# Altium PCB Kasli-DIOT.PCBDOC (part 1 of 21) (continued)
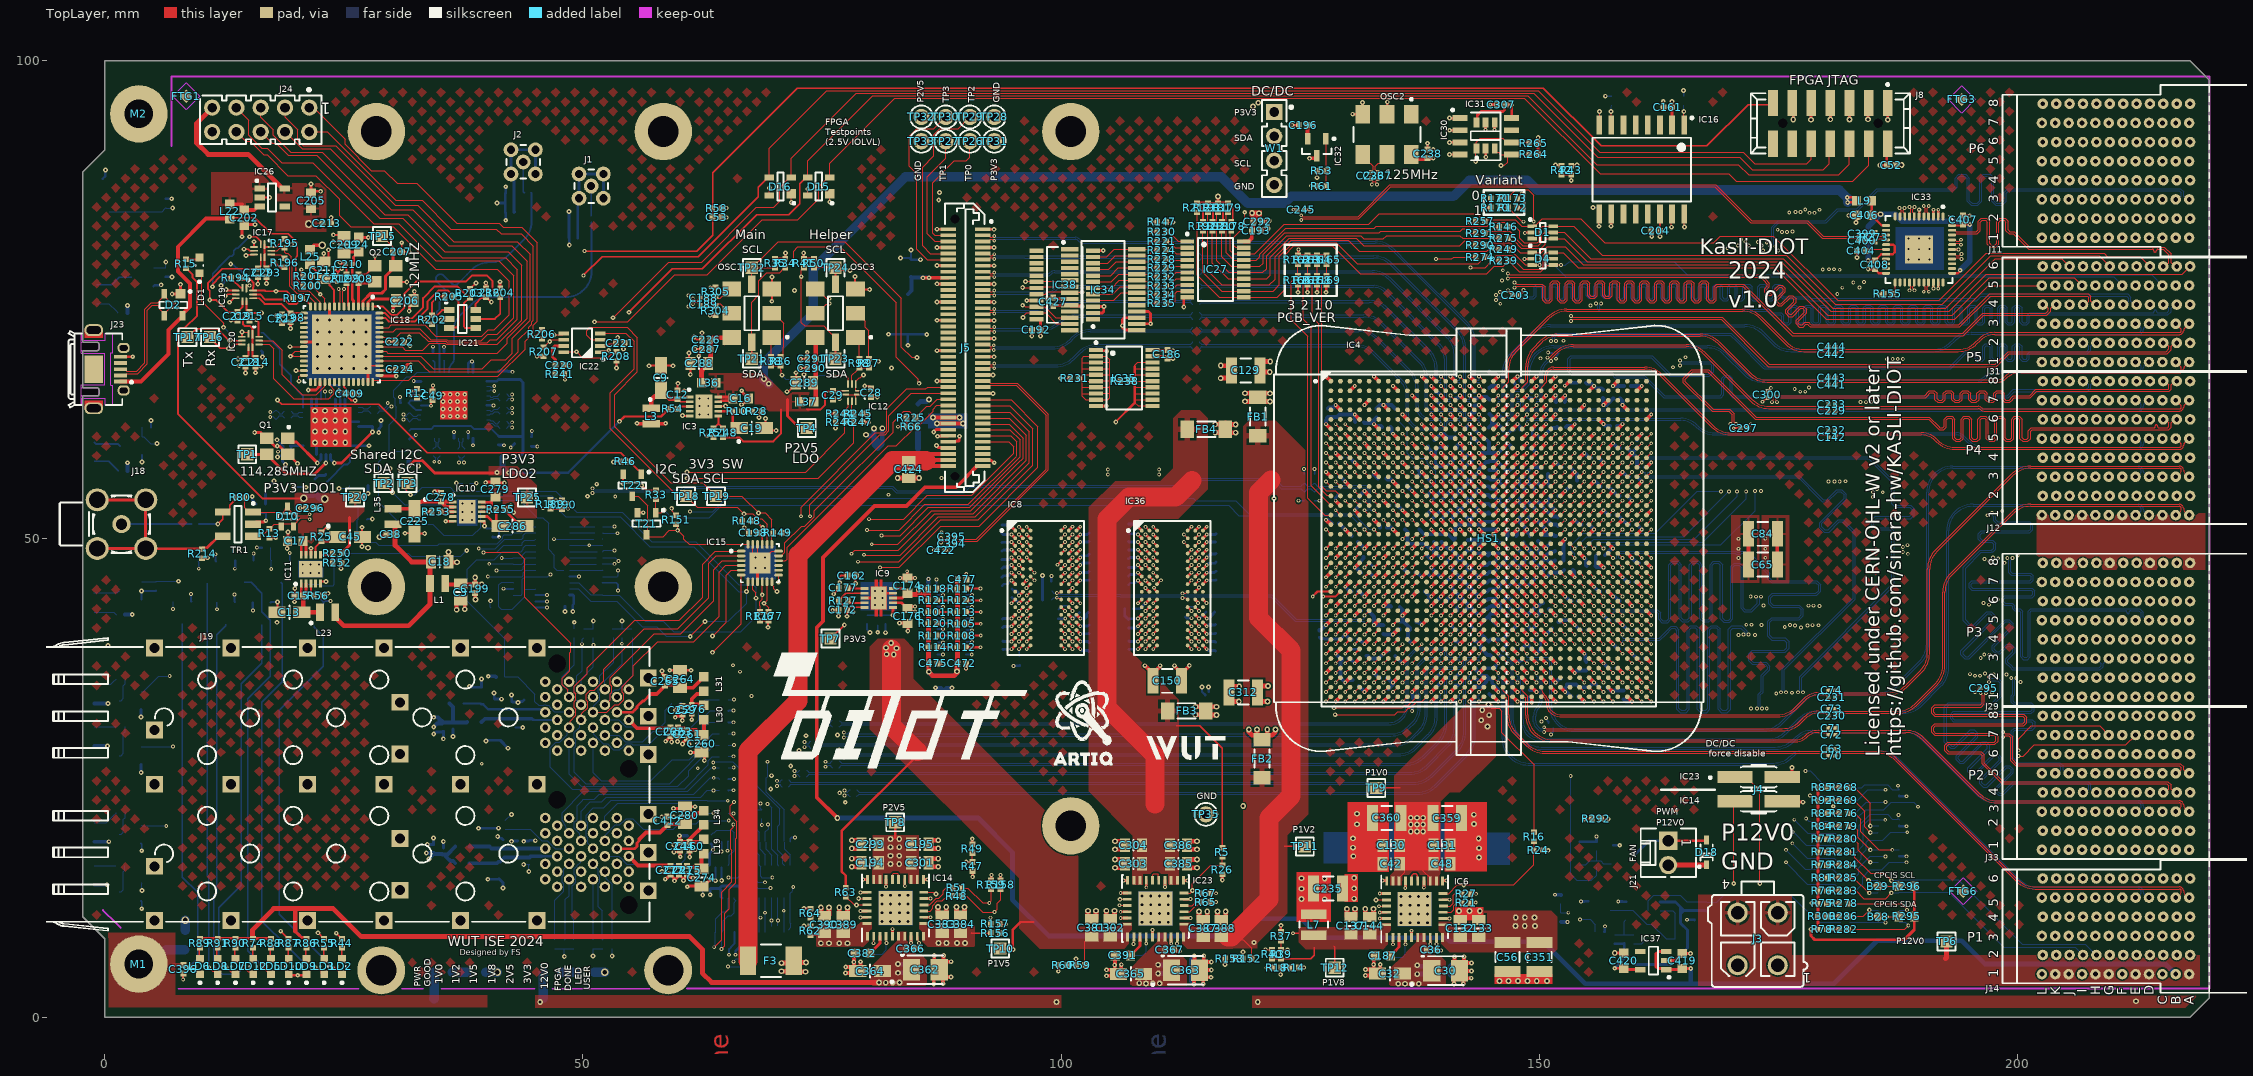
[diagram p0: TopLayer view]
## Design rules (kind name [scope] priority, off if disabled: settings) (continued)
PolygonConnect [All] p4: thpad.connectstyle=Relief thpad.reliefconductorwidth=0.254 thpad.reliefentries=4 thpad.polygonreliefangle="90 Angle" thpad.airgapwidth=0.254 smdpad.connectstyle=Relief smdpad.reliefconductorwidth=0.254 smdpad.reliefentries=4 smdpad.polygonreliefangle="90 Angle" smdpad.airgapwidth=0.254 via.connectstyle=Direct via.reliefconductorwidth=0.254 via.reliefentries=4 via.polygonreliefangle="90 Angle" via.airgapwidth=0.254
RoomDefinition U_Bank_16_32_36 [InComponentClass('U_Bank_16_32_36')] p1: confinementstyle=ConfineIn formatcopy=TRUE lockcomponents=FALSE outline -101.6,-152.4 -50.8,-152.4 -50.8,-127 -101.6,-127
RoomDefinition U_Bank_12_14_35 [InComponentClass('U_Bank_12_14_35')] p2: confinementstyle=ConfineIn formatcopy=TRUE lockcomponents=FALSE outline -101.6,-152.4 -50.8,-152.4 -50.8,-127 -101.6,-127
RoomDefinition U_Ect_conn [InComponentClass('U_Ect_conn')] p3: confinementstyle=ConfineIn formatcopy=TRUE lockcomponents=FALSE outline -101.6,-152.4 -50.8,-152.4 -50.8,-127 -101.6,-127
RoomDefinition U_DIOT_connectors_P4_P5_P6 [InComponentClass('U_DIOT_connectors_P4_P5_P6')] p4: confinementstyle=ConfineIn formatcopy=TRUE lockcomponents=FALSE outline -101.6,-152.4 -50.8,-152.4 -50.8,-127 -101.6,-127
RoomDefinition Kasli-DIOT [InComponentClass('Kasli-DIOT')] p5: confinementstyle=ConfineIn formatcopy=TRUE lockcomponents=FALSE outline -101.6,-152.4 -50.8,-152.4 -50.8,-127 -101.6,-127
RoomDefinition Artix [InComponentClass('Artix')] p6 off: confinementstyle=ConfineIn formatcopy=TRUE lockcomponents=FALSE outline 164.2,30.5 129.5,30.5 129.5,69.5 164.2,69.5
RoomDefinition U_DIOT_connectors_P1_P2_P3 [InComponentClass('U_DIOT_connectors_P1_P2_P3')] p7: confinementstyle=ConfineIn formatcopy=TRUE lockcomponents=FALSE outline 199.14,73.936 228.466,73.936 228.466,75.786 199.14,75.786
RoomDefinition Overlapping [InComponentClass('Overlapping')] p8: confinementstyle=ConfineIn formatcopy=TRUE lockcomponents=FALSE outline -101.6,-152.4 -50.8,-152.4 -50.8,-127 -101.6,-127
RoomDefinition CLK_buffer_DRTIO_CDR [InComponentClass('CLK_buffer_DRTIO_CDR')] p9: confinementstyle=ConfineIn formatcopy=TRUE lockcomponents=FALSE outline 199.14,0.007 230.666,0.007 230.666,9.208 199.14,9.208
RoomDefinition PowerSupplies [InComponentClass('PowerSupplies')] p10 off: confinementstyle=ConfineIn formatcopy=TRUE lockcomponents=FALSE outline 75.519,96.029 77.494,96.029 77.494,96.329 86.467,96.329 86.467,96.517 109.579,96.517 109.579,96.995 138.95,96.995 138.95,97.027 163.016,97.027 163.016,85.37 139.209,85.37 139.209,80.853 137.973,80.853 137.973,77.965 134.317,77.965 134.317,77.565 124.703,77.565 124.703,77.451 119.939,77.451 119.939,76.391 116.091,76.391 116.091,74.421 107.931,74.421 107.931,73.695 75.519,73.695
RoomDefinition ClockRecovery [InComponentClass('ClockRecovery')] p11 off: confinementstyle=ConfineIn formatcopy=TRUE lockcomponents=FALSE outline 8.746,64.089 8.746,66.467 8.896,66.467 8.896,68.085 8.977,68.085 8.977,73.636 9.733,73.636 9.733,75.201 12.512,75.201 12.512,77.741 14.08,77.741 14.08,80.691 23.942,80.691 23.942,85.361 23.957,85.361 23.957,86.377 26.353,86.377 26.353,87.185 52.133,87.185 52.133,84.645 59.753,84.645 59.753,64.707 52.133,64.707 52.133,59.627 34.766,59.627 34.766,59.543 24.173,59.543 24.173,59.489 19.515,59.489 19.515,62.149 14.075,62.149 14.075,62.663 9.933,62.663 9.933,64.089
RoomDefinition USB_Serial_Quad [InComponentClass('USB_Serial_Quad')] p12 off: confinementstyle=ConfineIn formatcopy=TRUE lockcomponents=FALSE outline -5.111,73.257 -5.111,83.715 33.174,83.715 33.174,95.964 54.202,95.964 54.202,89.456 43.907,89.456 43.907,66.821 41.575,66.821 41.575,58.403 39.547,58.403 39.547,58.119 33.037,58.119 33.037,57.993 31.479,57.993 31.479,59.677 13.341,59.677 13.341,61.363 12.649,61.363 12.649,62.467 8.717,62.467 8.717,73.257
RoomDefinition FPGA_JTAG [InComponentClass('FPGA_JTAG')] p13 off: confinementstyle=ConfineIn formatcopy=TRUE lockcomponents=FALSE outline 61.647,73.188 61.647,80.846 64.344,80.846 64.344,81.522 68.46,81.522 68.46,82.642 70.018,82.642 70.018,80.846 79.005,80.846 79.005,73.188
RoomDefinition SATA [InComponentClass('SATA')] p14 off: confinementstyle=ConfineIn formatcopy=TRUE lockcomponents=FALSE outline 63.647,77.642 63.647,95.25 71.58,95.25 71.58,90.909 72.045,90.909 72.045,82.677 71.58,82.677 71.58,77.642
RoomDefinition U_SFP [InComponentClass('U_SFP')] p15 off: confinementstyle=ConfineIn formatcopy=TRUE lockcomponents=FALSE outline -6.57,41.2 -6.57,57.356 42.738,57.356 42.738,56.913 49.195,56.913 49.195,55.927 50.977,55.927 50.977,55.799 52.341,55.799 52.341,51.389 49.289,51.389 49.289,50.933 46.162,50.933 46.162,47.989 45.213,47.989 45.213,46.469 42.738,46.469 42.738,41.2 41.067,41.2 41.067,39.099 37.335,39.099 37.335,37.699 33.052,37.699 33.052,41.2
RoomDefinition U_FPGA_SDRAM [InComponentClass('U_FPGA_SDRAM')] p16 off: confinementstyle=ConfineIn formatcopy=TRUE lockcomponents=FALSE outline 94.5,51.7 94.5,43.2 139.5,43.2 139.5,51.7 138.756,51.7
RoomDefinition U_FPGA_I2C [InComponentClass('U_FPGA_I2C')] p17 off: confinementstyle=ConfineIn formatcopy=TRUE lockcomponents=FALSE outline 68.713,65.519 68.713,67.577 69.677,67.577 69.677,68.851 71.103,68.851 71.103,71.293 77.741,71.293 77.741,68.343 79.929,68.343 79.929,55.389 85.644,55.389 85.644,54.529 91.076,54.529 91.076,50.119 89.712,50.119 89.712,49.866 89.04,49.866 89.04,48.901 73.012,48.901 73.012,50.119 71.103,50.119 71.103,52.307 69.169,52.307 69.169,65.519
RoutingLayers RoutingLayers_1 [InNetClass('Diff_100Ohm')] p1 off: top layer_v5=TRUE mid layer 2_v5=TRUE mid layer 3_v5=TRUE mid layer 4_v5=TRUE mid layer 7_v5=TRUE bottom layer_v5=TRUE
RoutingLayers [All] p2 off: top layer_v5=TRUE mid layer 2_v5=TRUE mid layer 3_v5=TRUE mid layer 4_v5=TRUE mid layer 7_v5=TRUE bottom layer_v5=TRUE
RoutingTopology RoutingTopology_DDRAddressAndControls [InNetClass('DDR_AddressAndControls')] p1: topology=Daisy_Simple
RoutingTopology [All] p2: topology=Shortest
RoutingVias [All] p1: holewidth=0.2 width=0.4 viastyle="Through Hole" minholewidth=0.2 minwidth=0.4 maxholewidth=0.6 maxwidth=0.8
SMDEntry [All] p1 off: side=TRUE corner=TRUE anyangle=FALSE
SilkToSilkClearance [All] p1: silktosilkclearance=0
SilkToSolderMaskClearance SilkscreenOverComponentPads [IsPad] p1: minsilkscreentomaskgap=0.15 clearancetoexposedcopper=FALSE
SolderMaskExpansion SolderMaskExpansion_via [IsVia] p1: expansion=0.102 istentingtop=TRUE
SolderMaskExpansion [All] p2: expansion=0.05 istentingtop=FALSE
StubLength [All] p1 off: limit=3
UnConnectedPin [All] p1 off:
UnRoutedNet [Not InPolygonClass('Copper_balancing')] p1:
ViasUnderSMD ViasUnderSMD_1 [(InNet('GND') AND (InComponent('IC1') or InComponent('IC2') or InComponent('IC3') or InComponent('IC14') or InComponent('IC15') or InComponent('IC18') or InComponent('IC6') or InComponent('IC7') or InComponent('IC9') or InComponent('IC10') or InComponent('IC11') or InComponent('IC27') or HasFootprint('MPS_MPM54304GMN') or HasFootprint('QFN50P700X700X90-45N-S295') or HasFootprint('MOLEX_MINI-SAS_VERTICAL_75784-0126')))] p1: allowed=TRUE
ViasUnderSMD [All] p2: allowed=FALSE
Width Width_DDR [InNetClass('SE40')] p1: maxlimit=0.22 minlimit=0.15 preferedwidth=0.16 toplayer_minwidth=0.22 toplayer_prefwidth=0.22 midlayer2_maxwidth=0.15 midlayer2_prefwidth=0.15 midlayer3_minwidth=0.16 midlayer3_maxwidth=0.16 midlayer4_minwidth=0.16 midlayer4_maxwidth=0.16 midlayer7_maxwidth=0.15 midlayer7_prefwidth=0.15 bottomlayer_minwidth=0.22 bottomlayer_prefwidth=0.22 impedanceprofiledriven=TRUE impedanceprofileid={2D202CA9-0084-4AC3-B5C3-64950548ABB7} impedanceprofilevalue=40.000000 minimp=50.000000 maximp=50.000000 favimp=50.000000
Width Width_50Ohm [InNetClass('50Ohm')] p2: maxlimit=0.254 minlimit=0.19 preferedwidth=0.254 toplayer_maxwidth=0.19 toplayer_prefwidth=0.19 midlayer2_minwidth=0.24 midlayer2_maxwidth=0.24 midlayer2_prefwidth=0.24 midlayer3_minwidth=0.254 midlayer4_minwidth=0.254 midlayer7_minwidth=0.24 midlayer7_maxwidth=0.24 midlayer7_prefwidth=0.24 bottomlayer_maxwidth=0.19 bottomlayer_prefwidth=0.19 minimp=50.000000 maximp=50.000000 favimp=50.000000
Width [All] p3: maxlimit=2 minlimit=0.075 preferedwidth=0.125
13 further rules are at their usual default settings.

## Classes and differential pairs
net class PE_CLK: 1_PE_CLK_N 1_PE_CLK_P 2_PE_CLK_N 2_PE_CLK_P 3_PE_CLK_N 3_PE_CLK_P 4_PE_CLK_N 4_PE_CLK_P 5_PE_CLK_N 5_PE_CLK_P 6_PE_CLK_N 6_PE_CLK_P 7_PE_CLK_N 7_PE_CLK_P 8_PE_CLK_N 8_PE_CLK_P
net class D90: NetD2_4 USB_D_R_N USB_D_R_P
net class FPGA_TP: FPGA_TESTPOINT0 FPGA_TESTPOINT1 FPGA_TESTPOINT2 FPGA_TESTPOINT3
net class DIOT_I2C: DIOT_I2C.SCL DIOT_I2C.SDA
net class DIOT_CLK_IN_0: DIOT_CLK_IN_0.CLK_N DIOT_CLK_IN_0.CLK_P
net class DIOT_BUS_CTRL: DIOT_BUS_CTRL.PRST_N DIOT_BUS_CTRL.PS_ON_N DIOT_BUS_CTRL.PWR_FAIL_N DIOT_BUS_CTRL.PWRBTN_N DIOT_BUS_CTRL.RST_N
component class U_Ect_conn: C423 C424 C425 F1 F3 F4 J5
net class PWR: MGTAVCC P1V0 P1V2 P1V5 P1V8 P2V5 P3V3 P5V0_CLK P12V0 STRIP3 VCCBRAM
differential pair class LVPECL: CK_FPGAIO CKOUT_1 CKOUT_D_1
net class BYTE4: DDR_DM3 DDR_DQ24 DDR_DQ25 DDR_DQ26 DDR_DQ27 DDR_DQ28 DDR_DQ29 DDR_DQ30 DDR_DQ31 DDR_DQS3_N DDR_DQS3_P
net class BYTE2: DDR_DM1 DDR_DQ8 DDR_DQ9 DDR_DQ10 DDR_DQ11 DDR_DQ12 DDR_DQ13 DDR_DQ14 DDR_DQ15 DDR_DQS1_N DDR_DQS1_P
net class MGT_CLK3: MGT_CLK3.CLK_N MGT_CLK3.CLK_P
net class MGT: MGT1_RxC_N MGT1_RxC_P MGT1_Tx_N MGT1_Tx_P MGT2_RxC_N MGT2_RxC_P MGT2_Tx_N MGT2_Tx_P MGT3_RxC_N MGT3_RxC_P MGT3_Tx_N MGT3_Tx_P MGT4_RxC_N MGT4_RxC_P MGT4_Tx_N MGT4_Tx_P MGT5_RxC_N MGT5_RxC_P MGT5_Tx_N MGT5_Tx_P MGT6_RxC_N MGT6_RxC_P MGT6_Tx_N MGT6_Tx_P MGT7_RxC_N MGT7_RxC_P MGT7_Tx_N MGT7_Tx_P MGT8_RxC_N MGT8_RxC_P MGT8_Tx_N MGT8_Tx_P MGT_CLK_ext_C_N MGT_CLK_ext_C_P MGT_CLK_ext_N MGT_CLK_ext_P MGTC1_Rx_N MGTC1_Rx_P MGTC1_Tx_N MGTC1_Tx_P MGTC2_Rx_N MGTC2_Rx_P MGTC2_Tx_N MGTC2_Tx_P MGTC3_Rx_N MGTC3_Rx_P MGTC3_Tx_N MGTC3_Tx_P MGTC4_Rx_N MGTC4_Rx_P MGTC4_Tx_N MGTC4_Tx_P MGTC5_Rx_N MGTC5_Rx_P MGTC5_Tx_N MGTC5_Tx_P MGTC6_Rx_N MGTC6_Rx_P MGTC6_Tx_N MGTC6_Tx_P MGTC7_Rx_N MGTC7_Rx_P MGTC7_Tx_N MGTC7_Tx_P MGTC8_Rx_N MGTC8_Rx_P MGTC8_Tx_N MGTC8_Tx_P S0_RX_N S0_RX_P S0_TX_N S0_TX_P S0C_RX_N S0C_RX_P S0C_TX_N S0C_TX_P S1_RX_N S1_RX_P S1_TX_N S1_TX_P S1C_RX_N S1C_RX_P S1C_TX_N S1C_TX_P S2_RX_N S2_RX_P S2_TX_N S2_TX_P S2C_RX_N S2C_RX_P S2C_TX_N S2C_TX_P S3_RX_N S3_RX_P S3_TX_N S3_TX_P S3C_RX_N S3C_RX_P S3C_TX_N S3C_TX_P SFP0_RD_N SFP0_RD_P SFP0_TD_N SFP0_TD_P SFP1_RD_N SFP1_RD_P SFP1_TD_N SFP1_TD_P SFP2_RD_N SFP2_RD_P SFP2_TD_N SFP2_TD_P SFP3_RD_N SFP3_RD_P SFP3_TD_N SFP3_TD_P SFP.RX0_N SFP.RX0_P SFP.RX1_N SFP.RX1_P SFP.RX2_N SFP.RX2_P SFP.RX3_N SFP.RX3_P SFP.TX0_N SFP.TX0_P SFP.TX1_N SFP.TX1_P SFP.TX2_N SFP.TX2_P SFP.TX3_N SFP.TX3_P
net class D100: 1_PE_CLK_N 1_PE_CLK_P 2_PE_CLK_N 2_PE_CLK_P 3_PE_CLK_N 3_PE_CLK_P 4_PE_CLK_N 4_PE_CLK_P 5_PE_CLK_N 5_PE_CLK_P 6_PE_CLK_N 6_PE_CLK_P 7_PE_CLK_N 7_PE_CLK_P 8_PE_CLK_N 8_PE_CLK_P CK_GTP_125_N CK_GTP_125_P CK_GTP_N CK_GTP_P CKC_GTP_125_N CKC_GTP_125_P MGT1_RxC_N MGT1_RxC_P MGT1_Tx_N MGT1_Tx_P MGT2_RxC_N MGT2_RxC_P MGT2_Tx_N MGT2_Tx_P MGT3_RxC_N MGT3_RxC_P MGT3_Tx_N MGT3_Tx_P MGT4_RxC_N MGT4_RxC_P MGT4_Tx_N MGT4_Tx_P MGT5_RxC_N MGT5_RxC_P MGT5_Tx_N MGT5_Tx_P MGT6_RxC_N MGT6_RxC_P MGT6_Tx_N MGT6_Tx_P MGT7_RxC_N MGT7_RxC_P MGT7_Tx_N MGT7_Tx_P MGT8_RxC_N MGT8_RxC_P MGT8_Tx_N MGT8_Tx_P MGT_CLK_ext_C_N MGT_CLK_ext_C_P MGT_CLK_ext_N MGT_CLK_ext_P MGTC1_Rx_N MGTC1_Rx_P MGTC1_Tx_N MGTC1_Tx_P MGTC2_Rx_N MGTC2_Rx_P MGTC2_Tx_N MGTC2_Tx_P MGTC3_Rx_N MGTC3_Rx_P MGTC3_Tx_N MGTC3_Tx_P MGTC4_Rx_N MGTC4_Rx_P MGTC4_Tx_N MGTC4_Tx_P MGTC5_Rx_N MGTC5_Rx_P MGTC5_Tx_N MGTC5_Tx_P MGTC6_Rx_N MGTC6_Rx_P MGTC6_Tx_N MGTC6_Tx_P MGTC7_Rx_N MGTC7_Rx_P MGTC7_Tx_N MGTC7_Tx_P MGTC8_Rx_N MGTC8_Rx_P MGTC8_Tx_N MGTC8_Tx_P S0_RX_N S0_RX_P S0_TX_N S0_TX_P S0C_RX_N S0C_RX_P S0C_TX_N S0C_TX_P S1_RX_N S1_RX_P S1_TX_N S1_TX_P S1C_RX_N S1C_RX_P S1C_TX_N S1C_TX_P S2_RX_N S2_RX_P S2_TX_N S2_TX_P S2C_RX_N S2C_RX_P S2C_TX_N S2C_TX_P S3_RX_N S3_RX_P S3_TX_N S3_TX_P S3C_RX_N S3C_RX_P S3C_TX_N S3C_TX_P SFP0_RD_N SFP0_RD_P SFP0_TD_N SFP0_TD_P SFP1_RD_N SFP1_RD_P SFP1_TD_N SFP1_TD_P SFP2_RD_N SFP2_RD_P SFP2_TD_N SFP2_TD_P SFP3_RD_N SFP3_RD_P SFP3_TD_N SFP3_TD_P SFP.RX0_N SFP.RX0_P SFP.RX1_N SFP.RX1_P SFP.RX2_N SFP.RX2_P SFP.RX3_N SFP.RX3_P SFP.TX0_N SFP.TX0_P SFP.TX1_N SFP.TX1_P SFP.TX2_N SFP.TX2_P SFP.TX3_N SFP.TX3_P SLOT1.LVDS_0_N SLOT1.LVDS_0_P SLOT1.LVDS_1_N SLOT1.LVDS_1_P SLOT1.LVDS_2_N SLOT1.LVDS_2_P SLOT1.LVDS_3_N SLOT1.LVDS_3_P SLOT1.LVDS_4_N SLOT1.LVDS_4_P SLOT1.LVDS_5_N SLOT1.LVDS_5_P SLOT1.LVDS_6_N SLOT1.LVDS_6_P SLOT1.LVDS_7_N SLOT1.LVDS_7_P SLOT1.LVDS_8_N SLOT1.LVDS_8_P SLOT1.LVDS_9_N SLOT1.LVDS_9_P SLOT1.LVDS_10_N SLOT1.LVDS_10_P SLOT1.LVDS_11_N SLOT1.LVDS_11_P SLOT1.LVDS_12_N SLOT1.LVDS_12_P SLOT1.LVDS_13_N SLOT1.LVDS_13_P SLOT1.LVDS_14_N SLOT1.LVDS_14_P SLOT1.LVDS_15_N SLOT1.LVDS_15_P SLOT2.LVDS_0_N SLOT2.LVDS_0_P SLOT2.LVDS_1_N SLOT2.LVDS_1_P SLOT2.LVDS_2_N SLOT2.LVDS_2_P SLOT2.LVDS_3_N SLOT2.LVDS_3_P SLOT2.LVDS_4_N SLOT2.LVDS_4_P SLOT2.LVDS_5_N SLOT2.LVDS_5_P SLOT2.LVDS_6_N SLOT2.LVDS_6_P SLOT2.LVDS_7_N SLOT2.LVDS_7_P SLOT2.LVDS_8_N SLOT2.LVDS_8_P SLOT2.LVDS_9_N SLOT2.LVDS_9_P SLOT2.LVDS_10_N SLOT2.LVDS_10_P SLOT2.LVDS_11_N SLOT2.LVDS_11_P SLOT2.LVDS_12_N SLOT2.LVDS_12_P SLOT2.LVDS_13_N SLOT2.LVDS_13_P SLOT2.LVDS_14_N SLOT2.LVDS_14_P SLOT2.LVDS_15_N SLOT2.LVDS_15_P SLOT3.LVDS_0_N SLOT3.LVDS_0_P SLOT3.LVDS_1_N SLOT3.LVDS_1_P SLOT3.LVDS_2_N SLOT3.LVDS_2_P SLOT3.LVDS_3_N SLOT3.LVDS_3_P SLOT3.LVDS_4_N SLOT3.LVDS_4_P SLOT3.LVDS_5_N SLOT3.LVDS_5_P SLOT3.LVDS_6_N SLOT3.LVDS_6_P SLOT3.LVDS_7_N SLOT3.LVDS_7_P SLOT3.LVDS_8_N SLOT3.LVDS_8_P SLOT3.LVDS_9_N SLOT3.LVDS_9_P SLOT3.LVDS_10_N SLOT3.LVDS_10_P SLOT3.LVDS_11_N SLOT3.LVDS_11_P SLOT3.LVDS_12_N SLOT3.LVDS_12_P SLOT3.LVDS_13_N SLOT3.LVDS_13_P SLOT3.LVDS_14_N SLOT3.LVDS_14_P SLOT3.LVDS_15_N SLOT3.LVDS_15_P SLOT4.LVDS_0_N SLOT4.LVDS_0_P SLOT4.LVDS_1_N SLOT4.LVDS_1_P SLOT4.LVDS_2_N SLOT4.LVDS_2_P SLOT4.LVDS_3_N SLOT4.LVDS_3_P SLOT4.LVDS_4_N SLOT4.LVDS_4_P SLOT4.LVDS_5_N SLOT4.LVDS_5_P SLOT4.LVDS_6_N SLOT4.LVDS_6_P SLOT4.LVDS_7_N SLOT4.LVDS_7_P SLOT4.LVDS_8_N SLOT4.LVDS_8_P SLOT4.LVDS_9_N SLOT4.LVDS_9_P SLOT4.LVDS_10_N SLOT4.LVDS_10_P SLOT4.LVDS_11_N SLOT4.LVDS_11_P SLOT4.LVDS_12_N SLOT4.LVDS_12_P SLOT4.LVDS_13_N SLOT4.LVDS_13_P SLOT4.LVDS_14_N SLOT4.LVDS_14_P SLOT4.LVDS_15_N SLOT4.LVDS_15_P SLOT5.LVDS_0_N SLOT5.LVDS_0_P SLOT5.LVDS_1_N SLOT5.LVDS_1_P SLOT5.LVDS_2_N SLOT5.LVDS_2_P SLOT5.LVDS_3_N SLOT5.LVDS_3_P SLOT5.LVDS_4_N SLOT5.LVDS_4_P SLOT5.LVDS_5_N SLOT5.LVDS_5_P SLOT5.LVDS_6_N SLOT5.LVDS_6_P SLOT5.LVDS_7_N SLOT5.LVDS_7_P SLOT5.LVDS_8_N SLOT5.LVDS_8_P SLOT5.LVDS_9_N SLOT5.LVDS_9_P SLOT5.LVDS_10_N SLOT5.LVDS_10_P SLOT5.LVDS_11_N SLOT5.LVDS_11_P SLOT5.LVDS_12_N SLOT5.LVDS_12_P SLOT5.LVDS_13_N SLOT5.LVDS_13_P SLOT5.LVDS_14_N SLOT5.LVDS_14_P SLOT5.LVDS_15_N SLOT5.LVDS_15_P SLOT6.LVDS_0_N SLOT6.LVDS_0_P SLOT6.LVDS_1_N SLOT6.LVDS_1_P SLOT6.LVDS_2_N SLOT6.LVDS_2_P SLOT6.LVDS_3_N SLOT6.LVDS_3_P SLOT6.LVDS_4_N SLOT6.LVDS_4_P SLOT6.LVDS_5_N SLOT6.LVDS_5_P SLOT6.LVDS_6_N SLOT6.LVDS_6_P SLOT6.LVDS_7_N SLOT6.LVDS_7_P SLOT6.LVDS_8_N SLOT6.LVDS_8_P SLOT6.LVDS_9_N SLOT6.LVDS_9_P SLOT6.LVDS_10_N SLOT6.LVDS_10_P SLOT6.LVDS_11_N SLOT6.LVDS_11_P SLOT6.LVDS_12_N SLOT6.LVDS_12_P SLOT6.LVDS_13_N SLOT6.LVDS_13_P SLOT6.LVDS_14_N SLOT6.LVDS_14_P SLOT6.LVDS_15_N SLOT6.LVDS_15_P SLOT7.LVDS_0_N SLOT7.LVDS_0_P SLOT7.LVDS_1_N SLOT7.LVDS_1_P SLOT7.LVDS_2_N SLOT7.LVDS_2_P SLOT7.LVDS_3_N SLOT7.LVDS_3_P SLOT7.LVDS_4_N SLOT7.LVDS_4_P SLOT7.LVDS_5_N SLOT7.LVDS_5_P SLOT7.LVDS_6_N SLOT7.LVDS_6_P SLOT7.LVDS_7_N SLOT7.LVDS_7_P SLOT7.LVDS_8_N SLOT7.LVDS_8_P SLOT7.LVDS_9_N SLOT7.LVDS_9_P SLOT7.LVDS_10_N SLOT7.LVDS_10_P SLOT7.LVDS_11_N SLOT7.LVDS_11_P SLOT7.LVDS_12_N SLOT7.LVDS_12_P SLOT7.LVDS_13_N SLOT7.LVDS_13_P SLOT7.LVDS_14_N SLOT7.LVDS_14_P SLOT7.LVDS_15_N SLOT7.LVDS_15_P SLOT8.LVDS_0_N SLOT8.LVDS_0_P SLOT8.LVDS_1_N SLOT8.LVDS_1_P SLOT8.LVDS_2_N SLOT8.LVDS_2_P SLOT8.LVDS_3_N SLOT8.LVDS_3_P SLOT8.LVDS_4_N SLOT8.LVDS_4_P SLOT8.LVDS_5_N SLOT8.LVDS_5_P SLOT8.LVDS_6_N SLOT8.LVDS_6_P SLOT8.LVDS_7_N SLOT8.LVDS_7_P SLOT8.LVDS_8_N SLOT8.LVDS_8_P SLOT8.LVDS_9_N SLOT8.LVDS_9_P SLOT8.LVDS_10_N SLOT8.LVDS_10_P SLOT8.LVDS_11_N SLOT8.LVDS_11_P SLOT8.LVDS_12_N SLOT8.LVDS_12_P SLOT8.LVDS_13_N SLOT8.LVDS_13_P SLOT8.LVDS_14_N SLOT8.LVDS_14_P SLOT8.LVDS_15_N SLOT8.LVDS_15_P
net class MGT_CLK2: MGT_CLK2.CLK_N MGT_CLK2.CLK_P
net class MGT_CLK1: MGT_CLK1.CLK_N MGT_CLK1.CLK_P
net class SLOT8: SLOT8.LVDS_0_N SLOT8.LVDS_0_P SLOT8.LVDS_1_N SLOT8.LVDS_1_P SLOT8.LVDS_2_N SLOT8.LVDS_2_P SLOT8.LVDS_3_N SLOT8.LVDS_3_P SLOT8.LVDS_4_N SLOT8.LVDS_4_P SLOT8.LVDS_5_N SLOT8.LVDS_5_P SLOT8.LVDS_6_N SLOT8.LVDS_6_P SLOT8.LVDS_7_N SLOT8.LVDS_7_P SLOT8.LVDS_8_N SLOT8.LVDS_8_P SLOT8.LVDS_9_N SLOT8.LVDS_9_P SLOT8.LVDS_10_N SLOT8.LVDS_10_P SLOT8.LVDS_11_N SLOT8.LVDS_11_P SLOT8.LVDS_12_N SLOT8.LVDS_12_P SLOT8.LVDS_13_N SLOT8.LVDS_13_P SLOT8.LVDS_14_N SLOT8.LVDS_14_P SLOT8.LVDS_15_N SLOT8.LVDS_15_P
net class SLOT8_MGT: MGTC8_Rx_N MGTC8_Rx_P MGTC8_Tx_N MGTC8_Tx_P
net class SLOT7: SLOT7.LVDS_0_N SLOT7.LVDS_0_P SLOT7.LVDS_1_N SLOT7.LVDS_1_P SLOT7.LVDS_2_N SLOT7.LVDS_2_P SLOT7.LVDS_3_N SLOT7.LVDS_3_P SLOT7.LVDS_4_N SLOT7.LVDS_4_P SLOT7.LVDS_5_N SLOT7.LVDS_5_P SLOT7.LVDS_6_N SLOT7.LVDS_6_P SLOT7.LVDS_7_N SLOT7.LVDS_7_P SLOT7.LVDS_8_N SLOT7.LVDS_8_P SLOT7.LVDS_9_N SLOT7.LVDS_9_P SLOT7.LVDS_10_N SLOT7.LVDS_10_P SLOT7.LVDS_11_N SLOT7.LVDS_11_P SLOT7.LVDS_12_N SLOT7.LVDS_12_P SLOT7.LVDS_13_N SLOT7.LVDS_13_P SLOT7.LVDS_14_N SLOT7.LVDS_14_P SLOT7.LVDS_15_N SLOT7.LVDS_15_P
net class SLOT7_MGT: MGTC7_Rx_N MGTC7_Rx_P MGTC7_Tx_N MGTC7_Tx_P
net class SLOT6: SLOT6.LVDS_0_N SLOT6.LVDS_0_P SLOT6.LVDS_1_N SLOT6.LVDS_1_P SLOT6.LVDS_2_N SLOT6.LVDS_2_P SLOT6.LVDS_3_N SLOT6.LVDS_3_P SLOT6.LVDS_4_N SLOT6.LVDS_4_P SLOT6.LVDS_5_N SLOT6.LVDS_5_P SLOT6.LVDS_6_N SLOT6.LVDS_6_P SLOT6.LVDS_7_N SLOT6.LVDS_7_P SLOT6.LVDS_8_N SLOT6.LVDS_8_P SLOT6.LVDS_9_N SLOT6.LVDS_9_P SLOT6.LVDS_10_N SLOT6.LVDS_10_P SLOT6.LVDS_11_N SLOT6.LVDS_11_P SLOT6.LVDS_12_N SLOT6.LVDS_12_P SLOT6.LVDS_13_N SLOT6.LVDS_13_P SLOT6.LVDS_14_N SLOT6.LVDS_14_P SLOT6.LVDS_15_N SLOT6.LVDS_15_P
net class SLOT6_MGT: MGTC6_Rx_N MGTC6_Rx_P MGTC6_Tx_N MGTC6_Tx_P
net class SLOT5: SLOT5.LVDS_0_N SLOT5.LVDS_0_P SLOT5.LVDS_1_N SLOT5.LVDS_1_P SLOT5.LVDS_2_N SLOT5.LVDS_2_P SLOT5.LVDS_3_N SLOT5.LVDS_3_P SLOT5.LVDS_4_N SLOT5.LVDS_4_P SLOT5.LVDS_5_N SLOT5.LVDS_5_P SLOT5.LVDS_6_N SLOT5.LVDS_6_P SLOT5.LVDS_7_N SLOT5.LVDS_7_P SLOT5.LVDS_8_N SLOT5.LVDS_8_P SLOT5.LVDS_9_N SLOT5.LVDS_9_P SLOT5.LVDS_10_N SLOT5.LVDS_10_P SLOT5.LVDS_11_N SLOT5.LVDS_11_P SLOT5.LVDS_12_N SLOT5.LVDS_12_P SLOT5.LVDS_13_N SLOT5.LVDS_13_P SLOT5.LVDS_14_N SLOT5.LVDS_14_P SLOT5.LVDS_15_N SLOT5.LVDS_15_P
net class SLOT5_MGT: MGTC5_Rx_N MGTC5_Rx_P MGTC5_Tx_N MGTC5_Tx_P
net class SLOT4: SLOT4.LVDS_0_N SLOT4.LVDS_0_P SLOT4.LVDS_1_N SLOT4.LVDS_1_P SLOT4.LVDS_2_N SLOT4.LVDS_2_P SLOT4.LVDS_3_N SLOT4.LVDS_3_P SLOT4.LVDS_4_N SLOT4.LVDS_4_P SLOT4.LVDS_5_N SLOT4.LVDS_5_P SLOT4.LVDS_6_N SLOT4.LVDS_6_P SLOT4.LVDS_7_N SLOT4.LVDS_7_P SLOT4.LVDS_8_N SLOT4.LVDS_8_P SLOT4.LVDS_9_N SLOT4.LVDS_9_P SLOT4.LVDS_10_N SLOT4.LVDS_10_P SLOT4.LVDS_11_N SLOT4.LVDS_11_P SLOT4.LVDS_12_N SLOT4.LVDS_12_P SLOT4.LVDS_13_N SLOT4.LVDS_13_P SLOT4.LVDS_14_N SLOT4.LVDS_14_P SLOT4.LVDS_15_N SLOT4.LVDS_15_P
net class SLOT4_MGT: MGTC4_Rx_N MGTC4_Rx_P MGTC4_Tx_N MGTC4_Tx_P
net class SLOT3: SLOT3.LVDS_0_N SLOT3.LVDS_0_P SLOT3.LVDS_1_N SLOT3.LVDS_1_P SLOT3.LVDS_2_N SLOT3.LVDS_2_P SLOT3.LVDS_3_N SLOT3.LVDS_3_P SLOT3.LVDS_4_N SLOT3.LVDS_4_P SLOT3.LVDS_5_N SLOT3.LVDS_5_P SLOT3.LVDS_6_N SLOT3.LVDS_6_P SLOT3.LVDS_7_N SLOT3.LVDS_7_P SLOT3.LVDS_8_N SLOT3.LVDS_8_P SLOT3.LVDS_9_N SLOT3.LVDS_9_P SLOT3.LVDS_10_N SLOT3.LVDS_10_P SLOT3.LVDS_11_N SLOT3.LVDS_11_P SLOT3.LVDS_12_N SLOT3.LVDS_12_P SLOT3.LVDS_13_N SLOT3.LVDS_13_P SLOT3.LVDS_14_N SLOT3.LVDS_14_P SLOT3.LVDS_15_N SLOT3.LVDS_15_P
net class SLOT3_MGT: MGTC3_Rx_N MGTC3_Rx_P MGTC3_Tx_N MGTC3_Tx_P
net class SLOT2: SLOT2.LVDS_0_N SLOT2.LVDS_0_P SLOT2.LVDS_1_N SLOT2.LVDS_1_P SLOT2.LVDS_2_N SLOT2.LVDS_2_P SLOT2.LVDS_3_N SLOT2.LVDS_3_P SLOT2.LVDS_4_N SLOT2.LVDS_4_P SLOT2.LVDS_5_N SLOT2.LVDS_5_P SLOT2.LVDS_6_N SLOT2.LVDS_6_P SLOT2.LVDS_7_N SLOT2.LVDS_7_P SLOT2.LVDS_8_N SLOT2.LVDS_8_P SLOT2.LVDS_9_N SLOT2.LVDS_9_P SLOT2.LVDS_10_N SLOT2.LVDS_10_P SLOT2.LVDS_11_N SLOT2.LVDS_11_P SLOT2.LVDS_12_N SLOT2.LVDS_12_P SLOT2.LVDS_13_N SLOT2.LVDS_13_P SLOT2.LVDS_14_N SLOT2.LVDS_14_P SLOT2.LVDS_15_N SLOT2.LVDS_15_P
net class SLOT2_MGT: MGTC2_Rx_N MGTC2_Rx_P MGTC2_Tx_N MGTC2_Tx_P
net class SLOT1: SLOT1.LVDS_0_N SLOT1.LVDS_0_P SLOT1.LVDS_1_N SLOT1.LVDS_1_P SLOT1.LVDS_2_N SLOT1.LVDS_2_P SLOT1.LVDS_3_N SLOT1.LVDS_3_P SLOT1.LVDS_4_N SLOT1.LVDS_4_P SLOT1.LVDS_5_N SLOT1.LVDS_5_P SLOT1.LVDS_6_N SLOT1.LVDS_6_P SLOT1.LVDS_7_N SLOT1.LVDS_7_P SLOT1.LVDS_8_N SLOT1.LVDS_8_P SLOT1.LVDS_9_N SLOT1.LVDS_9_P SLOT1.LVDS_10_N SLOT1.LVDS_10_P SLOT1.LVDS_11_N SLOT1.LVDS_11_P SLOT1.LVDS_12_N SLOT1.LVDS_12_P SLOT1.LVDS_13_N SLOT1.LVDS_13_P SLOT1.LVDS_14_N SLOT1.LVDS_14_P SLOT1.LVDS_15_N SLOT1.LVDS_15_P
net class SLOT1_MGT: MGTC1_Rx_N MGTC1_Rx_P MGTC1_Tx_N MGTC1_Tx_P
net class SHARED_BUS_[4..0]: SHARED_BUS_0 SHARED_BUS_1 SHARED_BUS_2 SHARED_BUS_3 SHARED_BUS_4
net class SERVMOD: 1_SERVMOD 2_SERVMOD 3_SERVMOD 4_SERVMOD 5_SERVMOD 6_SERVMOD 7_SERVMOD 8_SERVMOD
net class SE40: BYTE1 BYTE3 DDR_A00 DDR_A01 DDR_A02 DDR_A03 DDR_A04 DDR_A05 DDR_A06 DDR_A07 DDR_A08 DDR_A09 DDR_A10 DDR_A11 DDR_A12 DDR_A13 DDR_A14 DDR_BA0 DDR_BA1 DDR_BA2 DDR_CAS_N DDR_CKE DDR_CS_N DDR_DM0 DDR_DM1 DDR_DM2 DDR_DM3 DDR_DQ0 DDR_DQ1 DDR_DQ2 DDR_DQ3 DDR_DQ4 DDR_DQ5 DDR_DQ6 DDR_DQ7 DDR_DQ8 DDR_DQ9 DDR_DQ10 DDR_DQ11 DDR_DQ12 DDR_DQ13 DDR_DQ14 DDR_DQ15 DDR_DQ16 DDR_DQ17 DDR_DQ18 DDR_DQ19 DDR_DQ20 DDR_DQ21 DDR_DQ22 DDR_DQ23 DDR_DQ24 DDR_DQ25 DDR_DQ26 DDR_DQ27 DDR_DQ28 DDR_DQ29 DDR_DQ30 DDR_DQ31 DDR_ODT DDR_RAS_N DDR_WE_N
net class POWER: MGTAVCC_G10 MGTAVCC_G11 MGTAVTT_G10 MGTAVTT_G11 VCCAUX
net class MON-bus: F_IO0 F_IO1 F_RST M_SCL M_SDA MON-bus.P_IO0 MON-bus.P_IO1 MON-bus.P_IO2 MON-bus.P_PRES0_N MON-bus.P_PRES1_N MON-bus.P_RST
net class ESD_STRIP: STRIP1 STRIP2 STRIP3
net class BYTE3: BYTE3 DDR_DM2 DDR_DQ16 DDR_DQ17 DDR_DQ18 DDR_DQ19 DDR_DQ20 DDR_DQ21 DDR_DQ22 DDR_DQ23 DDR_DQS2_N DDR_DQS2_P
net class BYTE1: DDR_DM0 DDR_DQ0 DDR_DQ1 DDR_DQ2 DDR_DQ3 DDR_DQ4 DDR_DQ5 DDR_DQ6 DDR_DQ7 DDR_DQS0_N DDR_DQS0_P
net class D80: DDR_A01 DDR_CK_N DDR_CK_P DDR_DQS0_N DDR_DQS0_P DDR_DQS1_N DDR_DQS1_P DDR_DQS2_N DDR_DQS2_P DDR_DQS3_N DDR_DQS3_P
net class ADDR/CMD: DDR_A00 DDR_A01 DDR_A02 DDR_A03 DDR_A04 DDR_A05 DDR_A06 DDR_A07 DDR_A08 DDR_A09 DDR_A10 DDR_A11 DDR_A12 DDR_A13 DDR_A14 DDR_BA0 DDR_BA1 DDR_BA2 DDR_CAS_N DDR_CKE DDR_CS_N DDR_ODT DDR_RAS_N DDR_WE_N
component class U_DIOT_connectors_P4_P5_P6: C73 C74 C142 C229 C230 C231 C232 C233 C258 C434 C435 C436 C437 C438 C439 C440 C441 C442 C443 C444 C445 C446 C447 C448 D1 D4 J11 J12 J31
component class Overlapping: J11 J14
component class U_Bank_16_32_36: C397 C398 R73 R75 R76 R77 R78 R79 R81 R83 R84 R85 R92 R93 R146 R239 R249 R257 R258 R259 R260 R261 R274 R275 R290 R291 R292 T5 T23 T24
component class CLK_buffer_DRTIO_CDR: C399 C400 C404 C406 C407 C408 IC33 L9 R155 R273
polygon class Copper_balancing: Copper_balancing
net class SFP_RX_TX_3: SFP.RX3_N SFP.RX3_P SFP.TX3_N SFP.TX3_P
net class SFP_3: SFP_3.LED SFP_3.LOS SFP_3.MOD_PRESENT SFP_3.RATE_SELECT SFP_3.RATE_SELECT1 SFP_3.SCL SFP_3.SDA SFP_3.TX_DISABLE SFP_3.TX_FAULT
net class GPIO_INT[1..0]: GPIO_INT0 GPIO_INT1
component class U_SFP: C160 C178 C179 C180 C181 C182 C183 C184 C185 C244 C246 C247 C248 C249 C250 C251 C252 C253 C254 C255 C256 C257 C259 C260 C261 C262 C263 C264 C265 C266 C267 C268 C269 C270 C271 C272 C273 C274 C275 C276 C277 C280 C281 C282 C283 C284 C285 C412 DS1 DS2 DS3 J19 L19 L20 L21 L30 L31 L32 L33 L34 LD11 LD15 LD16 LD17 Plate1 Plate2 Plate3 Plate4 R130 R133 R134 R135 R136 R137 R138 R140 R141 R142 R143 R144 R145 R174 R193 R213 R215 R216 R217 R218 R219 R220 R222 R223 T11 T16 T17 T18
net class 50Ohm: EEM_CLK_OUT0 EEM_CLK_OUT1 NetC20_2 NetC21_2 NetC228_1 NetC228_2
component class FPGA_JTAG: C159 R58
component class SATA: C246 C247 C248 C249 C250 C251 C252 C253 C254 C255 C256 C257 C282 C283 C284 C285
component class Artix: C51 C61 C69 C81 C88 C95 C97 C98 C99 C101 C112 C113 C114 C115 C116 C120 C122 C126 C138 C147 C154 C205 C309 C316 C322 C323 C324 C325 C326 C327 C333 C334 C335 C336 C337 C338 C340 C341 C342 C343 C344 C345 C353 C354 C370 C376 C431 C483 L4 L5 R19 R23 R42 R43 R44 R45 R52 R53 R55 R61 R94 R95 R96 R147 R221 R224 R227 R228 R229 R230 R231 R232 R233 R234 R235 T2 T3 T4 T12 T19 T20 T21 T22
component class PowerSupplies: C22 C27 C30 C32 C36 C40 C42 C48 C130 C131 C132 C133 C137 C144 C187 C194 C195 C299 C301 C302 C303 C304 C362 C363 C364 C365 C366 C367 C381 C382 C383 C384 C385 C386 C387 C388 C389 C390 C391 C419 C420 IC6 IC14 IC23 IC37 J3 J4 LD5 LD6 LD7 LD8 LD9 LD10 LD12 R5 R14 R16 R18 R21 R24 R26 R27 R31 R32 R37 R39 R40 R47 R48 R49 R51 R59 R60 R62 R63 R64 R65 R67 R74 R86 R87 R88 R89 R90 R91 R152 R153 R156 R157 R158 R159 T7 T8 T9 T10 T15 TP5 TP6 TP7 TP8 TP9 TP10 TP11 TP12 TP34 TP35 TP36 W1
component class U_DIOT_connectors_P1_P2_P3: B28 B29 C63 C70 C71 C72 C410 C411 C449 C450 D3 D5 D6 D7 D8 J14 J29 J33 R262 R263 R266 R267 R268 R269 R270 R271 R272 R276 R277 R278 R279 R280 R281 R282 R283 R284 R285 R286 R287 R288 R295 R296 R300
component class U_FPGAGTP: C41 C54 C77 C100 C141 C157 C200 C201 C203 C236 C237 C238 C245 C295 C297 C300 C392 C393 C394 C395 C403 C405 C413 C414 C415 C416 C417 C418 C422 OSC2 R160 R161
component class U_FPGA_SDRAM: C162 C163 C164 C165 C166 C167 C168 C169 C170 C171 C172 C173 C174 C175 C176 C177 C451 C452 C453 C454 C455 C456 C457 C458 C459 C460 C461 C462 C463 C464 C465 C466 C467 C468 C469 C470 C471 C472 C473 C474 C475 C476 C477 C478 IC8 IC9 IC36 R99 R100 R101 R102 R103 R104 R105 R106 R107 R108 R109 R110 R111 R112 R113 R114 R115 R116 R117 R118 R119 R120 R121 R122 R123 R124 R125 R126 R127 R128 R129 R298
component class U_FPGA_I2C: C186 C192 C193 C197 C198 C227 C292 C305 C306 C307 C427 IC15 IC24 IC25 IC27 IC28 IC29 IC30 IC31 IC34 IC35 IC38 R33 R46 R66 R82 R131 R132 R147 R148 R149 R151 R175 R176 R177 R178 R179 R180 R181 R182 R183 R184 R185 R186 R187 R188 R189 R190 R191 R192 R212 R221 R224 R225 R228 R229 R230 R231 R232 R233 R234 R235 R238 R264 R265 T21 T22 TP2 TP3
component class Kasli-DIOT: C161 C204 C228 C396 D10 FTG1 FTG2 FTG3 FTG4 FTG5 FTG6 IC16 J18 M1 M2 R13 R68 R69 R70 R71 R72 R80 R94 R95 R96 R139 R154 R214 TR1 WASHER1 WASHER2
component class ClockRecovery: C1 C2 C3 C4 C5 C6 C7 C8 C9 C10 C11 C12 C13 C14 C15 C16 C17 C18 C19 C20 C21 C23 C24 C25 C26 C28 C29 C38 C43 C44 C45 C46 C47 C49 C188 C189 C190 C191 C199 C225 C226 C234 C239 C241 C242 C243 C278 C279 C286 C287 C288 C289 C290 C291 C296 C298 C401 C402 C421 C479 IC1 IC2 IC3 IC10 IC11 IC12 J1 J2 L1 L2 L3 L23 L29 L35 L36 L37 LD1 OSC1 OSC3 Q1 R1 R2 R3 R4 R6 R7 R8 R10 R12 R15 R17 R22 R25 R28 R29 R30 R34 R35 R36 R38 R41 R50 R54 R56 R97 R98 R210 R211 R236 R237 R242 R243 R244 R245 R246 R247 R248 R250 R251 R252 R253 R254 R255 R256 R304 R305 T1 TP1 TP4 TP20 TP21 TP22 TP23 TP24 TP25
component class FPGAPower&Misc: C31 C33 C34 C35 C37 C39 C50 C51 C52 C53 C55 C56 C57 C58 C59 C60 C61 C62 C64 C65 C66 C67 C68 C69 C75 C76 C78 C79 C80 C81 C82 C83 C84 C85 C86 C87 C88 C89 C90 C91 C92 C93 C94 C95 C96 C97 C98 C99 C101 C102 C103 C104 C105 C106 C107 C108 C109 C110 C111 C112 C113 C114 C115 C116 C117 C118 C119 C120 C121 C122 C123 C124 C125 C126 C127 C128 C129 C134 C135 C136 C138 C139 C140 C143 C145 C146 C147 C148 C149 C150 C151 C152 C153 C154 C155 C156 C158 C196 C235 C240 C308 C309 C310 C311 C312 C313 C314 C315 C316 C317 C318 C319 C320 C321 C322 C323 C324 C325 C326 C327 C328 C329 C330 C331 C332 C333 C334 C335 C336 C337 C338 C339 C340 C341 C342 C343 C344 C345 C346 C347 C348 C349 C350 C351 C352 C353 C354 C355 C356 C357 C358 C359 C360 C361 C368 C369 C370 C371 C372 C373 C374 C375 C376 C377 C378 C379 C380 C428 C429 C430 C431 C432 C433 C480 C481 C482 C483 C484 C485 D15 D16 FB1 FB2 FB3 FB4 HS1 IC32 J8 L4 L5 L7 LD3 R52 R53 R55 R57 R58 R61 T4
component class U_Bank_12_14_35: C159 D17 D18 IC4 J21 LD2 LD13 LD14 LD18 R9 R11 R19 R20 R23 R42 R43 R44 R45 R150 R162 R163 R164 R165 R166 R167 R168 R169 R170 R171 R172 R173 R226 R227 R289 SW1 T2 T3 T12 T19 T20 TP26 TP27 TP28 TP29 TP30 TP31 TP32 TP33
component class USB_Serial_Quad: C202 C205 C206 C207 C208 C209 C210 C211 C212 C213 C214 C215 C216 C217 C218 C219 C220 C221 C222 C223 C224 C293 C409 D2 IC17 IC18 IC19 IC20 IC21 IC22 IC26 J23 J24 L22 L24 L25 Q2 R194 R195 R196 R197 R198 R199 R200 R201 R202 R203 R204 R205 R206 R207 R208 R209 R241 T13 T14 TP15 TP16 TP17 TP18 TP19
net class SFP_0: SFP_0.LED SFP_0.LOS SFP_0.MOD_PRESENT SFP_0.RATE_SELECT SFP_0.RATE_SELECT1 SFP_0.SCL SFP_0.SDA SFP_0.TX_DISABLE SFP_0.TX_FAULT
net class SFP_1: SFP_1.LED SFP_1.LOS SFP_1.MOD_PRESENT SFP_1.RATE_SELECT SFP_1.RATE_SELECT1 SFP_1.SCL SFP_1.SDA SFP_1.TX_DISABLE SFP_1.TX_FAULT
net class SFP_2: SFP_2.LED SFP_2.LOS SFP_2.MOD_PRESENT SFP_2.RATE_SELECT SFP_2.RATE_SELECT1 SFP_2.SCL SFP_2.SDA SFP_2.TX_DISABLE SFP_2.TX_FAULT
net class SFP_RX_TX_0: SFP.RX0_N SFP.RX0_P SFP.TX0_N SFP.TX0_P
net class SFP_RX_TX_1: SFP.RX1_N SFP.RX1_P SFP.TX1_N SFP.TX1_P
net class SFP_RX_TX_2: SFP.RX2_N SFP.RX2_P SFP.TX2_N SFP.TX2_P
differential pair CLK_IN: +CLK_IN_P -CLK_IN_N
differential pair MGT_CLK_ext: +MGT_CLK_ext_P -MGT_CLK_ext_N
differential pair MGT_CLK_ext_C: +MGT_CLK_ext_C_P -MGT_CLK_ext_C_N
differential pair DIOT_CLK_IN_0.CLK: +DIOT_CLK_IN_0.CLK_P -DIOT_CLK_IN_0.CLK_N
differential pair CKC_GTP_125: +CKC_GTP_125_P -CKC_GTP_125_N
differential pair MGT_CLK3_C: +MGT_CLK3_C_P -MGT_CLK3_C_N
differential pair MGT_CLK3.CLK: +MGT_CLK3.CLK_P -MGT_CLK3.CLK_N
differential pair S3_TX: +S3_TX_P -S3_TX_N
differential pair S3_RX: +S3_RX_P -S3_RX_N
differential pair S2_TX: +S2_TX_P -S2_TX_N
differential pair S2_RX: +S2_RX_P -S2_RX_N
differential pair S1_TX: +S1_TX_P -S1_TX_N
differential pair S1_RX: +S1_RX_P -S1_RX_N
differential pair S0_TX: +S0_TX_P -S0_TX_N
differential pair S0_RX: +S0_RX_P -S0_RX_N
differential pair S3C_TX: +S3C_TX_P -S3C_TX_N
differential pair S3C_RX: +S3C_RX_P -S3C_RX_N
differential pair S2C_TX: +S2C_TX_P -S2C_TX_N
differential pair S2C_RX: +S2C_RX_P -S2C_RX_N
differential pair S1C_TX: +S1C_TX_P -S1C_TX_N
differential pair S1C_RX: +S1C_RX_P -S1C_RX_N
differential pair S0C_TX: +S0C_TX_P -S0C_TX_N
differential pair S0C_RX: +S0C_RX_P -S0C_RX_N
differential pair SFP.TX3: +SFP.TX3_P -SFP.TX3_N
differential pair SFP.TX2: +SFP.TX2_P -SFP.TX2_N
differential pair SFP.TX1: +SFP.TX1_P -SFP.TX1_N
differential pair SFP.TX0: +SFP.TX0_P -SFP.TX0_N
differential pair SFP.RX3: +SFP.RX3_P -SFP.RX3_N
differential pair SFP.RX2: +SFP.RX2_P -SFP.RX2_N
differential pair SFP.RX1: +SFP.RX1_P -SFP.RX1_N
differential pair SFP.RX0: +SFP.RX0_P -SFP.RX0_N
differential pair MGT_CLK2_C: +MGT_CLK2_C_P -MGT_CLK2_C_N
differential pair MGT_CLK2.CLK: +MGT_CLK2.CLK_P -MGT_CLK2.CLK_N
differential pair MGT_CLK1_C: +MGT_CLK1_C_P -MGT_CLK1_C_N
differential pair MGT_CLK1.CLK: +MGT_CLK1.CLK_P -MGT_CLK1.CLK_N
differential pair SLOT8.LVDS_15: +SLOT8.LVDS_15_P -SLOT8.LVDS_15_N
differential pair SLOT8.LVDS_14: +SLOT8.LVDS_14_P -SLOT8.LVDS_14_N
differential pair SLOT8.LVDS_13: +SLOT8.LVDS_13_P -SLOT8.LVDS_13_N
differential pair SLOT8.LVDS_12: +SLOT8.LVDS_12_P -SLOT8.LVDS_12_N
differential pair SLOT8.LVDS_11: +SLOT8.LVDS_11_P -SLOT8.LVDS_11_N
differential pair SLOT8.LVDS_10: +SLOT8.LVDS_10_P -SLOT8.LVDS_10_N
differential pair SLOT8.LVDS_9: +SLOT8.LVDS_9_P -SLOT8.LVDS_9_N
differential pair SLOT8.LVDS_8: +SLOT8.LVDS_8_P -SLOT8.LVDS_8_N
differential pair SLOT8.LVDS_7: +SLOT8.LVDS_7_P -SLOT8.LVDS_7_N
differential pair SLOT8.LVDS_6: +SLOT8.LVDS_6_P -SLOT8.LVDS_6_N
differential pair SLOT8.LVDS_5: +SLOT8.LVDS_5_P -SLOT8.LVDS_5_N
differential pair SLOT8.LVDS_4: +SLOT8.LVDS_4_P -SLOT8.LVDS_4_N
differential pair SLOT8.LVDS_3: +SLOT8.LVDS_3_P -SLOT8.LVDS_3_N
differential pair SLOT8.LVDS_2: +SLOT8.LVDS_2_P -SLOT8.LVDS_2_N
differential pair SLOT8.LVDS_1: +SLOT8.LVDS_1_P -SLOT8.LVDS_1_N
differential pair SLOT8.LVDS_0: +SLOT8.LVDS_0_P -SLOT8.LVDS_0_N
differential pair SLOT7.LVDS_15: +SLOT7.LVDS_15_P -SLOT7.LVDS_15_N
differential pair SLOT7.LVDS_14: +SLOT7.LVDS_14_P -SLOT7.LVDS_14_N
differential pair SLOT7.LVDS_13: +SLOT7.LVDS_13_P -SLOT7.LVDS_13_N
differential pair SLOT7.LVDS_12: +SLOT7.LVDS_12_P -SLOT7.LVDS_12_N
differential pair SLOT7.LVDS_11: +SLOT7.LVDS_11_P -SLOT7.LVDS_11_N
differential pair SLOT7.LVDS_10: +SLOT7.LVDS_10_P -SLOT7.LVDS_10_N
differential pair SLOT7.LVDS_9: +SLOT7.LVDS_9_P -SLOT7.LVDS_9_N
differential pair SLOT7.LVDS_8: +SLOT7.LVDS_8_P -SLOT7.LVDS_8_N
differential pair SLOT7.LVDS_7: +SLOT7.LVDS_7_P -SLOT7.LVDS_7_N
differential pair SLOT7.LVDS_6: +SLOT7.LVDS_6_P -SLOT7.LVDS_6_N
differential pair SLOT7.LVDS_5: +SLOT7.LVDS_5_P -SLOT7.LVDS_5_N
differential pair SLOT7.LVDS_4: +SLOT7.LVDS_4_P -SLOT7.LVDS_4_N
differential pair SLOT7.LVDS_3: +SLOT7.LVDS_3_P -SLOT7.LVDS_3_N
differential pair SLOT7.LVDS_2: +SLOT7.LVDS_2_P -SLOT7.LVDS_2_N
differential pair SLOT7.LVDS_1: +SLOT7.LVDS_1_P -SLOT7.LVDS_1_N
differential pair SLOT7.LVDS_0: +SLOT7.LVDS_0_P -SLOT7.LVDS_0_N
differential pair SLOT6.LVDS_15: +SLOT6.LVDS_15_P -SLOT6.LVDS_15_N
differential pair SLOT6.LVDS_14: +SLOT6.LVDS_14_P -SLOT6.LVDS_14_N
differential pair SLOT6.LVDS_13: +SLOT6.LVDS_13_P -SLOT6.LVDS_13_N
differential pair SLOT6.LVDS_12: +SLOT6.LVDS_12_P -SLOT6.LVDS_12_N
differential pair SLOT6.LVDS_11: +SLOT6.LVDS_11_P -SLOT6.LVDS_11_N
differential pair SLOT6.LVDS_10: +SLOT6.LVDS_10_P -SLOT6.LVDS_10_N